# Altium PCB bms_mainboard-1_0.PcbDoc (part 1 of 7) (continued)
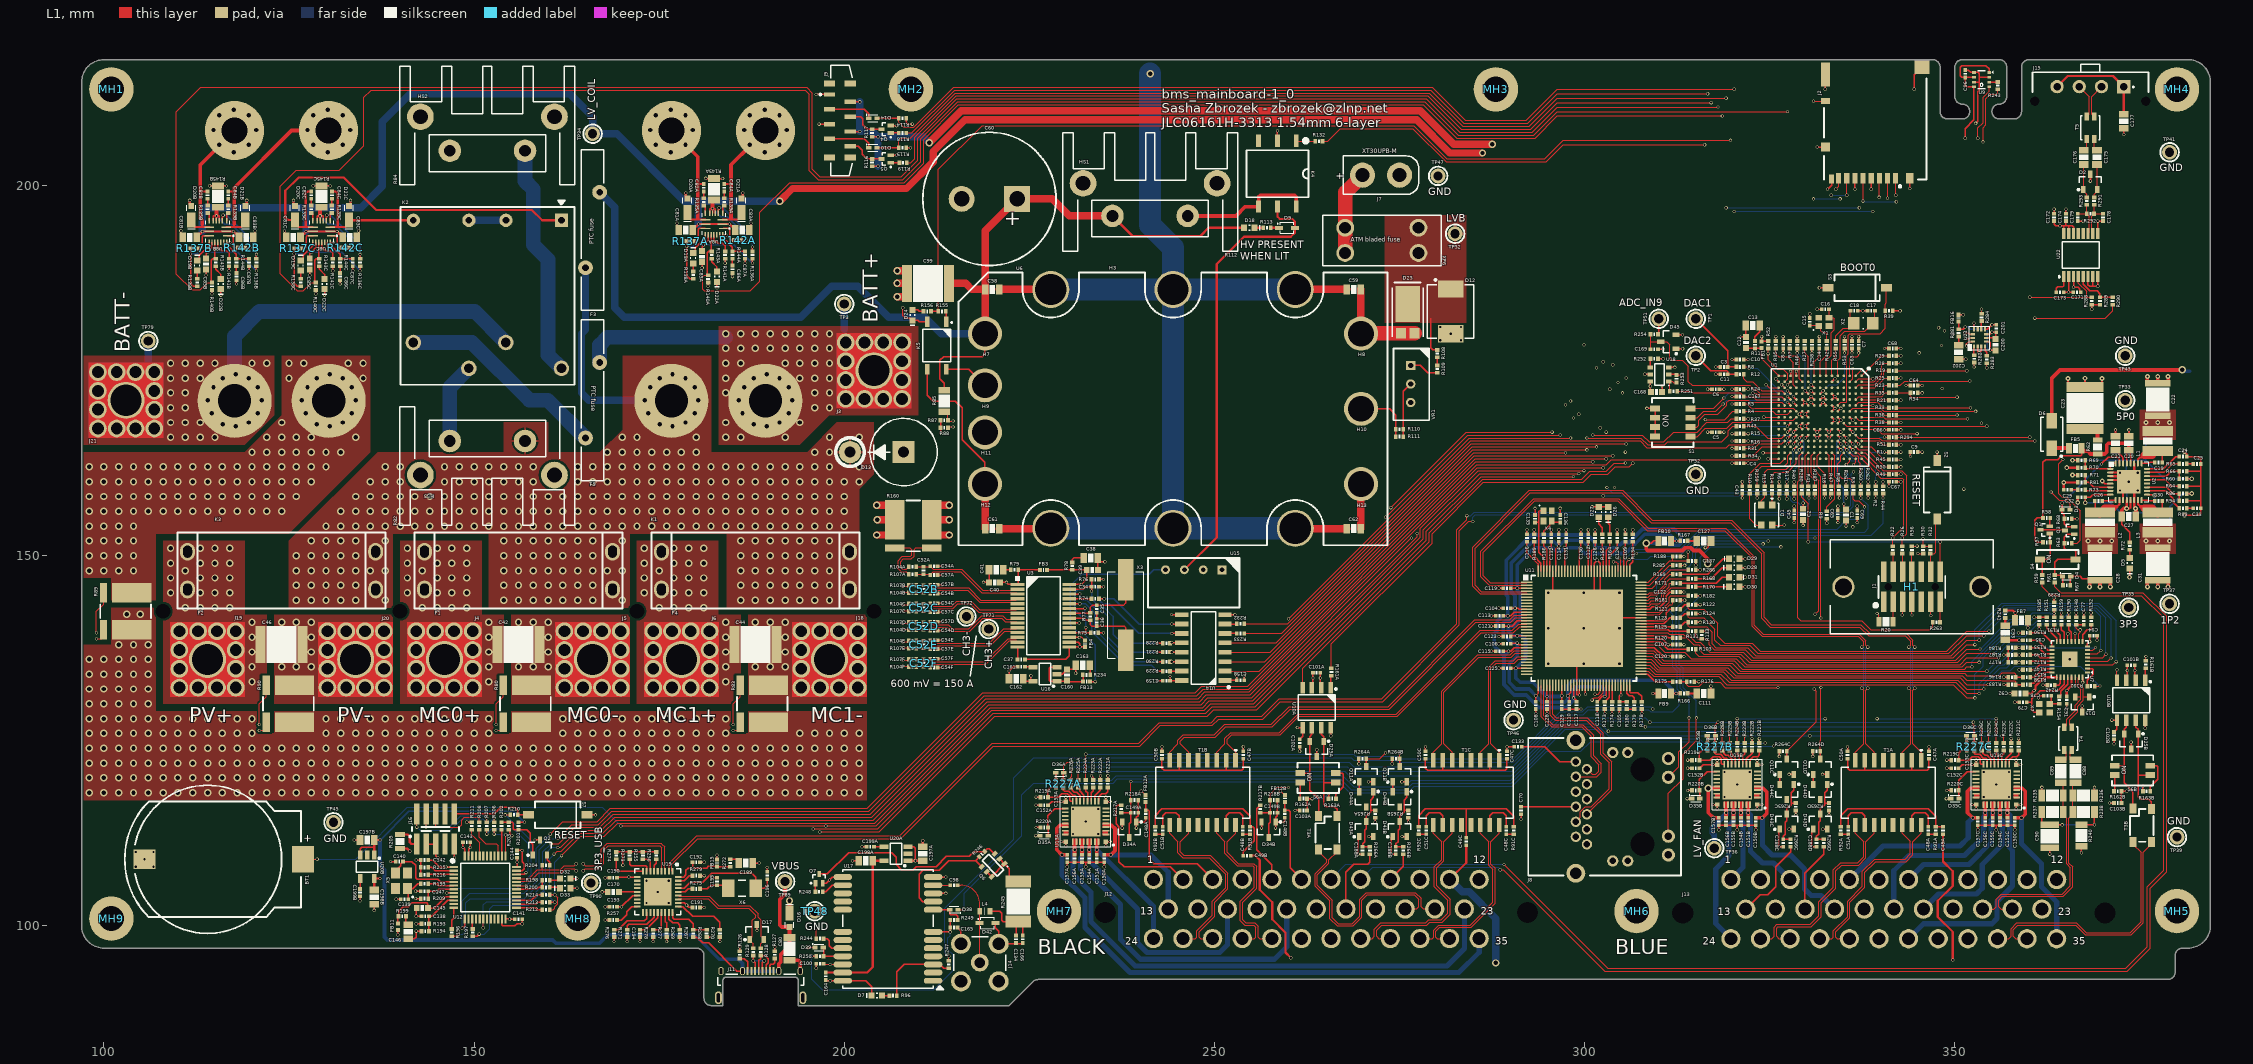
[diagram p0: L1 view]
## Classes and differential pairs
net class HV: HV_3_P HV_ARRAY_3_N HV_ARRAY_3_P HV_MC0_3_N HV_MC0_3_P HV_MC1_3_N HV_MC1_3_P HV_N HV_P HV_RAW_RETURN_3 HV_RAW_SUPPLY_3 NetC60_2 NetD9_2 NetD18_1 NetF5_2 NetH9_1 NetK2_5 NetK2_7 NetK4_4
component class isouart0: C171 C172 C173 C174 R288 R289 R290 U22
component class coupling1: C175 C176 C177 C178 C179 D2 J15 R291 R292 R293 T5
channel class pmic_tps79933: pmic_tps799331 pmic_tps799332
component class pmic_tps799331: C197A C198A C199A U20A
component class gnss_quectel_lc29hea: C98 C100 C134 C164 C165 C166 D7 D38 D39 D42 J14 L4 Q6 Q7 R96 R244 R245 R246 R247 R248 R249 R250 U17
component class fans: D10 D14 J9 Q4 Q5 R114 R115 R116 R117 R118 R119
component class dht_bme280: C96 R243 U9
component class pmic_tps799332: C197B C198B C199B U20B
component class imu_ism330: C200 C201 C202 FB16 R281 R282 R283 R284 U21
differential pair class DE_120: CAN1_MDI. CAN2_MDI.
differential pair class DE_90: USB_DFP1._1 USB_DFP2._1 USB_DFP3._1 USB_UFP._1
channel class switch_vn9e30f: lv_switch0 lv_switch1 lv_switch2
channel class eth_100base-tx_magnetics: mag0 mag1 mag2
channel class digital_input_protection: digital0 digital1 digital2 digital3
channel class current_mp6519: current_coil_hs current_coil_ls current_coil_pc
channel class can_tcan1462v: can0 can1
channel class analog_sensor_input: sensor0 sensor1
net class SE_50: GNSS_RF GNSS_RF_BIASED
component class usb_hub: C170 C189 C190 C191 C192 C193 C194 C195 C196 FB15 R255 R256 R257 R267 R268 R269 R270 R271 R272 R273 R274 R275 R276 R277 R278 R279 U19 X6
component class st-link-v2: C138 C139 C140 C141 C142 C143 C144 C145 C146 C147 D32 D33 FB11 J16 Q2 R193 R194 R195 R196 R197 R198 R199 R200 R201 R202 R203 R204 R205 R206 R207 R208 R209 R210 R211 R212 R213 R214 R215 R216 S7 U12 X5
component class sensor1: C148B C149B D34B FB12B R217B R218B
component class sensor0: C148A C149A D34A FB12A R217A R218A
component class mag2: C47C C48C C49C C50C C51C R91C R92C T1C
component class mag1: C47B C48B C49B C50B C51B R91B R92B T1B
component class mag0: C47A C48A C49A C50A C51A R91A R92A T1A
component class isolator0: C158 C159 C160 C161 C162 C163 FB13 R228 R229 R230 R231 R232 R233 R234 U14 U15 U16
component class digital3: C188D D43D D44D Q11D R264D R265D R266D
component class digital2: C188C D43C D44C Q11C R264C R265C R266C
component class digital1: C188B D43B D44B Q11B R264B R265B R266B
component class digital0: C188A D43A D44A Q11A R264A R265A R266A
component class dcdc_brick: C58 C59 C60 C61 C62 C99 D23 D24 H3 H4 H5 H6 H7 H8 H9 H10 H11 H12 H13 H14 H15 H16 K5 R108 R109 R110 R111 R155 R156 R160 U6 VR1
component class current_coil_pc: C81C C82C C83C C84C C85C C86C C87C D19C D20C D21C D22C R135C R136C R137C R138C R139C R140C R141C R142C R143C R144C R145C U8C
component class current_coil_ls: C81B C82B C83B C84B C85B C86B C87B D19B D20B D21B D22B R135B R136B R137B R138B R139B R140B R141B R142B R143B R144B R145B U8B
component class current_coil_hs: C81A C82A C83A C84A C85A C86A C87A D19A D20A D21A D22A R135A R136A R137A R138A R139A R140A R141A R142A R143A R144A R145A U8A
component class conn_harness_lv: D12 F19 F20 F21 F22 J7 J12 J13 XF6
component class hv_bleed: D9 D18 HS1 K4 R112 R113 R132
component class conn_usbc: C80 D16 D17 J11 R126 R127 R128 R129
differential pair class DE_100: 10B-T1S_MDI. 100B-PHY.RX_13 100B-PHY.TX_13 100BASE-TX.RX_1 100BASE-TX.TX_1 ARRAY_IS._1 BATT_IS._1 CH0. CH0._7 CH1. CH1._7 CH2. CH2._7 CH3. CH3._7 CH4. CH4._7 CH5. CH5._7 COMM DCDC_IS._1 ETH_P1.RX ETH_P1.TX ETH_P2.RX ETH_P2.TX ETH_P3.RX ETH_P3.TX HV_VS._1 IP ISOSPI._1 ISOSPI_0._9 ISOSPI_1._9 ISOSPI_2._9 ISOSPI_3._9 ISOSPI_4._9 ISOSPI_MCU._9 ISOUART._1 LV_VS._1 MC0_IS._1 MC1_IS._1 P1_MDI_PHY.RX P1_MDI_PHY.TX P2_MDI_PHY.RX P2_MDI_PHY.TX P3_MDI_PHY.RX P3_MDI_PHY.TX RX4 RX5 TRX TX4 TX5
channel class filter_diff_shunt: shunt0 shunt1 shunt2 shunt3 shunt4 shunt5
component class ethernet_switch: C70 C104 C105 C106 C107 C108 C109 C110 C111 C112 C113 C114 C115 C116 C117 C118 C119 C120 C121 C122 C123 C124 C125 C126 C127 C128 C129 C130 C131 C132 C133 C135 C136 C137 D26 D27 D28 D29 D30 D31 FB9 FB10 J8 R103 R120 R121 R122 R123 R124 R125 R130 R131 R133 R134 R164 R165 R166 R167 R168 R169 R170 R171 R173 R174 R175 R176 R178 R179 R180 R181 R182 R186 R188 R189 R285 R286 U11 X4
component class top: BT1 MH1 MH2 MH3 MH4 MH5 MH6 MH7 MH8 MH9 TP32 TP33 TP34 TP35 TP36 TP37 TP39 TP41 TP43 TP45 TP46 TP47 TP48 TP89 TP90
component class shunt5: C52F C54F C57F R104F R107F
component class shunt4: C52E C54E C57E R104E R107E
component class shunt3: C52D C54D C57D R104D R107D
component class shunt2: C52C C54C C57C R104C R107C
component class shunt1: C52B C54B C57B R104B R107B
component class shunt0: C52A C54A C57A R104A R107A
component class sdcard: J2
component class pmic: C19 C20 C21 C22 C23 C24 C25 C26 C27 C28 C29 C30 C31 C32 C33 D3 D4 D5 D6 FB5 L1 L2 L3 Q1 Q3 R57 R58 R59 R60 R61 R62 R63 R64 R65 R66 R67 R68 R69 R70 R71 R72 R73 R81 R86 R93 R94 S4 U2
component class lv_switch2: C150C C151C C152C C153C C154C C155C C156C C157C D35C D36C R219C R220C R221C R222C R223C R224C R225C R226C R227C U13C
component class lv_switch1: C150B C151B C152B C153B C154B C155B C156B C157B D35B D36B R219B R220B R221B R222B R223B R224B R225B R226B R227B U13B
component class lv_switch0: C150A C151A C152A C153A C154A C155A C156A C157A D35A D36A R219A R220A R221A R222A R223A R224A R225A R226A R227A U13A
component class eth_10base-t1s_phy: C C77 C78 C79 C88 C89 C90 C91 C92 C93 C94 C95 D15 FB7 R146 R147 R148 R149 R150 R151 R152 R153 R154 R157 R158 R159 R172 R177 R183 R184 R185 R187 R190 R191 R192 R235 R236 R237 R238 R239 R240 R241 R242 T4 U7 X7
component class mcu_stm32f4: C1 C2 C3 C4 C5 C6 C7 C8 C9 C10 C11 C12 C13 C14 C15 C16 C17 C18 C43 C45 C63 C64 C65 C66 C67 C68 C69 C167 C168 C169 D1 D45 FB1 H1 J1 R1 R2 R3 R4 R5 R6 R7 R8 R9 R10 R11 R12 R13 R14 R15 R16 R17 R18 R19 R20 R21 R22 R23 R24 R25 R26 R27 R28 R29 R30 R31 R32 R33 R34 R35 R36 R37 R38 R39 R40 R41 R42 R43 R44 R45 R46 R47 R48 R49 R50 R51 R52 R53 R54 R55 R56 R95 R251 R252 R253 R254 R258 R259 R260 R261 R262 R263 R280 R287 R294 S1 S2 S3 TP1 TP2 TP51 TP52 U1 U18 X1 X2
component class hv: C42 C44 C46 D13 F1 F2 F3 F4 F5 F19 HS2 HS3 J3 J4 J5 J6 J18 J19 J20 J21 K1 K2 K3 R80 R82 R83 R84 R85 R87 R88 R89 R90 TP3 TP79 XF1 XF3
component class can1: C101B C102B C103B D25B R161B R162B R163B S6B T3B U10B
component class can0: C101A C102A C103A D25A R161A R162A R163A S6A T3A U10A
component class adc_mcp3913: C34 C35 C36 C37 C38 C39 C40 C41 FB3 FB4 R74 R75 R76 R77 R78 R79 TP71 TP72 U3 X3
differential pair ISOUART._1: +ISOUART._1_P -ISOUART._1_N
differential pair COMM: +COMM_P -COMM_N
differential pair USB_UFP._1: +USB_UFP._1_P -USB_UFP._1_N
differential pair TRX: +TRX_P -TRX_N
differential pair 10B-T1S_MDI.: +10B-T1S_MDI._P -10B-T1S_MDI._N
differential pair USB_DFP2._1: +USB_DFP2._1_P -USB_DFP2._1_N
differential pair USB_DFP1._1: +USB_DFP1._1_P -USB_DFP1._1_N
differential pair TX4: +TX4_P -TX4_N
differential pair RX4: +RX4_P -RX4_N
differential pair P3_MDI_PHY.TX: +P3_MDI_PHY.TX_P -P3_MDI_PHY.TX_N
differential pair P3_MDI_PHY.RX: +P3_MDI_PHY.RX_P -P3_MDI_PHY.RX_N
differential pair P2_MDI_PHY.TX: +P2_MDI_PHY.TX_P -P2_MDI_PHY.TX_N
differential pair P2_MDI_PHY.RX: +P2_MDI_PHY.RX_P -P2_MDI_PHY.RX_N
differential pair P1_MDI_PHY.TX: +P1_MDI_PHY.TX_P -P1_MDI_PHY.TX_N
differential pair P1_MDI_PHY.RX: +P1_MDI_PHY.RX_P -P1_MDI_PHY.RX_N
differential pair ETH_P3.TX: +ETH_P3.TX_P -ETH_P3.TX_N
differential pair ETH_P3.RX: +ETH_P3.RX_P -ETH_P3.RX_N
differential pair ETH_P2.TX: +ETH_P2.TX_P -ETH_P2.TX_N
differential pair ETH_P2.RX: +ETH_P2.RX_P -ETH_P2.RX_N
differential pair ETH_P1.TX: +ETH_P1.TX_P -ETH_P1.TX_N
differential pair ETH_P1.RX: +ETH_P1.RX_P -ETH_P1.RX_N
differential pair DCDC_IS._1: +DCDC_IS._1_P -DCDC_IS._1_N
differential pair CH5.: +CH5._P -CH5._N
differential pair CH4.: +CH4._P -CH4._N
differential pair CH3.: +CH3._P -CH3._N
differential pair CH2.: +CH2._P -CH2._N
differential pair CH1.: +CH1._P -CH1._N
differential pair CH0.: +CH0._P -CH0._N
differential pair CAN2_MDI.: +CAN2_MDI._P -CAN2_MDI._N
differential pair CAN1_MDI.: +CAN1_MDI._P -CAN1_MDI._N
differential pair MC1_IS._1: +MC1_IS._1_P -MC1_IS._1_N
differential pair MC0_IS._1: +ARRAY_IS._1_P -ARRAY_IS._1_N
differential pair HV_VS._1: +HV_VS._1_P -HV_VS._1_N
differential pair BATT_IS._1: +BATT_IS._1_P -BATT_IS._1_N
differential pair ARRAY_IS._1: +MC0_IS._1_P -MC0_IS._1_N

## Components (designator, comment, footprint, x,y, rotation, side; value= is the part's Value field where it differs from the comment)
BT1 "S8421-45R" HOLDER_BATT_CR2032_HARWIN_S8421-45R 114,109 r90 top
C1 "CL10A106MA8NRNC" C0603 335.3,155.5 r270 top
C2 "CL10A106MA8NRNC" C0603 329.5,155.6 r270 top
C3 "CL05B103KB5NNNC" C0402 318.8,175.5 r180 top
C4 "CL05B104KB54PNC" C0402 321,162.5 r180 top
C5 "CL05B104KB54PNC" C0402 317.7,166.7 r180 top
C6 "CL05B104KB54PNC" C0402 317.7,172.5 r180 top
C7 "CL05B104KB54PNC" C0402 337,178.5 r90 top
C8 "CL05B104KB54PNC" C0402 326.8,178.5 r90 top
C9 "CL05B104KB54PNC" C0402 344.5,164 r0 top
C10 "CL05B104KB54PNC" C0402 321,176.5 r180 top
C11 "CL05B103KB5NNNC" C0402 318.8,174.5 r180 top
C12 "GMK107AB7105KAHT" C0603 321.8,178.8 r90 top
C13 "CL21B106KAYQNNE" C0805 322.7,181.1 r180 top
C14 "0402CG270J500NT" C0402 331.7,178.5 r90 top
C15 "0402CG6R0C500NT" C0402 330.4,181.6 r90 top
C16 "0402CG6R0C500NT" C0402 332.5,183.3 r180 top
C17 "0402CG150J500NT" C0402 338.7,183.1 r180 top
C18 "0402CG150J500NT" C0402 336.4,183.1 r0 top
C19 "CL05B104KB54PNC" C0402 377.5,162.6 r0 top
C20 "0805B475K500NT" C0805 373.5,165.2 r90 top
C21 "CL21B106KOQNNNE" C0805 371.7,165.2 r90 top
C22 "C4532X7R1C336MT000N" C1812 377.4,171.1 r90 top
C23 "C5750X7R1E226MT000N" C2220 367.575,169.975 r90 top
C24 "CL05B104KB54PNC" C0402 380.8,163.4 r0 top
C25 "CC0402KRX7R0BB222" C0402 382.7,162.4 r0 top
C26 "CL05B104KB54PNC" C0402 369.4,157.4 r180 top
C27 "0805B475K500NT" C0805 373.5,155.3 r0 top
C28 "C4532X7R1C336MT000N" C1812 369.6,148.9 r270 top
C29 "CC0402KRX7R0BB222" C0402 365.2,158.9 r180 top
C30 "CL05B104KB54PNC" C0402 377.5,157.4 r0 top
C31 "C4532X7R1C336MT000N" C1812 377.4,148.9 r270 top
C32 "CL05B104KB54PNC" C0402 367.1,157.9 r180 top
C33 "CC0402KRX7R0BB222" C0402 382.7,156.4 r0 top
C34 "0402CG270J500NT" C0402 233.9,145.8 r0 top
C35 "0402CG270J500NT" C0402 234.1,142.8 r270 top
C36 "0402CG270J500NT" C0402 234.1,141 r90 top
C37 "CL05B104KB54PNC" C0402 223.9,136 r0 top
C38 "CL21B106KAYQNNE" C0805 233.3,149.7 r0 top
C39 "GMK107AB7105KAHT" C0603 233.5,148.1 r0 top
C40 "GMK107AB7105KAHT" C0603 220.3,146.4 r180 top
C41 "CL21B106KAYQNNE" C0805 220.5,148.1 r180 top
C42 "C5750X7T2E225KT000N" C2220 156,138 r0 top
C43 "CL05B104KB54PNC" C0402 321.3,158.9 r270 top
C44 "C5750X7T2E225KT000N" C2220 188,138 r0 top
C45 "CL05B104KB54PNC" C0402 328.3,155.6 r270 top
C46 "C5750X7T2E225KT000N" C2220 124,138 r0 top
C47A "CL05B104KB54PNC" C0402 346.5,123.1 r90 top (schematic designator C47)
C47B "CL05B104KB54PNC" C0402 253.9,123.1 r90 top (schematic designator C47)
C47C "CL05B104KB54PNC" C0402 289.5,123.1 r90 top (schematic designator C47)
C48A "CL05B103KB5NNNC" C0402 346.4,112.9 r270 top (schematic designator C48)
C48B "CL05B103KB5NNNC" C0402 253.8,112.9 r270 top (schematic designator C48)
C48C "CL05B103KB5NNNC" C0402 289.4,112.9 r270 top (schematic designator C48)
C49A "CC0402KRX7R0BB222" C0402 348.4,112.9 r270 top (schematic designator C49)
C49B "CC0402KRX7R0BB222" C0402 254.4,109.5 r0 top (schematic designator C49)
C49C "CC0402KRX7R0BB222" C0402 284,111.4 r270 top (schematic designator C49)
C50A "CL05B104KB54PNC" C0402 335.5,123.1 r90 top (schematic designator C50)
C50B "CL05B104KB54PNC" C0402 242.9,123.1 r90 top (schematic designator C50)
C50C "CL05B104KB54PNC" C0402 278.5,123.1 r90 top (schematic designator C50)
C51A "CL05B103KB5NNNC" C0402 335.6,112.9 r270 top (schematic designator C51)
C51B "CL05B103KB5NNNC" C0402 243,112.9 r270 top (schematic designator C51)
C51C "CL05B103KB5NNNC" C0402 278.6,112.9 r270 top (schematic designator C51)
C52A "CL05B104KB54PNC" C0402 210.7,148 r270 top (schematic designator C52)
C52B "CL05B104KB54PNC" C0402 210.7,145.5 r90 top (schematic designator C52)
C52C "CL05B104KB54PNC" C0402 210.7,143 r270 top (schematic designator C52)
C52D "CL05B104KB54PNC" C0402 210.7,140.5 r90 top (schematic designator C52)
C52E "CL05B104KB54PNC" C0402 210.7,138 r270 top (schematic designator C52)
C52F "CL05B104KB54PNC" C0402 210.7,135.5 r90 top (schematic designator C52)
C54A "CL05B104KB54PNC" C0402 212.1,148.6 r0 top (schematic designator C54)
C54B "CL05B104KB54PNC" C0402 212.1,144.9 r0 top (schematic designator C54)
C54C "CL05B104KB54PNC" C0402 212.1,143.6 r0 top (schematic designator C54)
C54D "CL05B104KB54PNC" C0402 212.1,139.9 r0 top (schematic designator C54)
C54E "CL05B104KB54PNC" C0402 212.1,138.6 r0 top (schematic designator C54)
C54F "CL05B104KB54PNC" C0402 212.1,134.9 r0 top (schematic designator C54)
C57A "CL05B104KB54PNC" C0402 212.1,147.4 r180 top (schematic designator C57)
C57B "CL05B104KB54PNC" C0402 212.1,146.1 r180 top (schematic designator C57)
C57C "CL05B104KB54PNC" C0402 212.1,142.4 r180 top (schematic designator C57)
C57D "CL05B104KB54PNC" C0402 212.1,141.1 r180 top (schematic designator C57)
C57E "CL05B104KB54PNC" C0402 212.1,137.4 r180 top (schematic designator C57)
C57F "CL05B104KB54PNC" C0402 212.1,136.1 r180 top (schematic designator C57)
C58 "GCM21B5C2E472JX01L" C0805 220,185.969 r0 top
C59 "GRM21B5C2E103JWAAL" C0805 268.8,185.969 r0 top
C60 "EKXJ221ELL221MM25S" CAP_1600X2700X750 219.6,198.2 r180 top
C61 "GCM21B5C2E472JX01L" C0805 220,153.669 r0 top
C62 "GRM21B5C2E103JWAAL" C0805 268.8,153.669 r0 top
C63 "CL05B104KB54PNC" C0402 336.1,178.5 r90 top
C64 "CL05B104KB54PNC" C0402 344.5,173 r0 top
C65 "CL05B104KB54PNC" C0402 334.2,155.6 r270 top
C66 "CL05B104KB54PNC" C0402 341.6,167 r0 top
C67 "CL05B104KB54PNC" C0402 341.6,160 r0 top
C68 "CL05B104KB54PNC" C0402 341.6,178 r0 top
C69 "CL05B104KB54PNC" C0402 336.8,155.6 r270 top
C70 "CL05B104KB54PNC" C0402 291.4,115.6 r270 top
C77 "0402CG270J500NT" C0402 367.4,141.2 r90 top
C78 "0402CG6R0C500NT" C0402 362.5,131.1 r180 top
C79 "0402CG6R0C500NT" C0402 359.2,130.2 r180 top
C80 "CL31B106KBHNNNE" C1206 192.6,96.9 r270 top
C81A "0805B475K500NT" C0805 178.6,194 r0 top (schematic designator C81)
C81B "0805B475K500NT" C0805 111.6,193 r0 top (schematic designator C81)
C81C "0805B475K500NT" C0805 125.6,193 r0 top (schematic designator C81)
C82A "CL05B104KB54PNC" C0402 181,199.7 r90 top (schematic designator C82)
C82B "CL05B104KB54PNC" C0402 114,198.7 r90 top (schematic designator C82)
C82C "CL05B104KB54PNC" C0402 128,198.7 r90 top (schematic designator C82)
C83A "0805B475K500NT" C0805 186.2,194 r180 top (schematic designator C83)
C83B "0805B475K500NT" C0805 119.2,193 r180 top (schematic designator C83)
C83C "0805B475K500NT" C0805 133.2,193 r180 top (schematic designator C83)
C84A "CL05B104KB54PNC" C0402 183.8,199.7 r270 top (schematic designator C84)
C84B "CL05B104KB54PNC" C0402 116.8,198.7 r270 top (schematic designator C84)
C84C "CL05B104KB54PNC" C0402 130.8,198.7 r270 top (schematic designator C84)
C85A "CL10A106MA8NRNC" C0603 180.8,190.4 r270 top (schematic designator C85)
C85B "CL10A106MA8NRNC" C0603 113.8,189.4 r270 top (schematic designator C85)
C85C "CL10A106MA8NRNC" C0603 127.8,189.4 r270 top (schematic designator C85)
C86A "0402B473K500NT" C0402 184.9,188.7 r270 top (schematic designator C86)
C86B "0402B473K500NT" C0402 117.9,187.7 r270 top (schematic designator C86)
C86C "0402B473K500NT" C0402 131.9,187.7 r270 top (schematic designator C86)
C87A "GRM1555C1H471JA01D" C0402 186.6,190.6 r270 top (schematic designator C87)
C87B "GRM1555C1H471JA01D" C0402 119.6,189.6 r270 top (schematic designator C87)
C87C "GRM1555C1H471JA01D" C0402 133.6,189.6 r270 top (schematic designator C87)
C88 "FM31X104K251EEG" C1206 366.3,120.9 r270 top
C89 "FM31X104K251EEG" C1206 364.3,120.9 r270 top
C90 "FM32X224K251EEG" C1210 362.8,112.1 r270 top
C91 "CL05B104KB54PNC" C0402 365.1,130.5 r270 top
C92 "GMK107AB7105KAHT" C0603 358.8,131.4 r180 top
C93 "CL21B106KAYQNNE" C0805 356.8,139.6 r270 top
C94 "CL05B104KB54PNC" C0402 368.7,139.2 r0 top
C95 "CL05B104KB54PNC" C0402 359.7,138.6 r180 top
C96 "CL05B104KB54PNC" C0402 351.4,215.1 r270 top
C98 "0402CG101J500NT" C0402 214.8,105.5 r0 top
C99 "C5750X7T2E225KT000N" C2220 211.3,186.8 r180 top
C100 "CL05B104KB54PNC" C0402 196.7,94.9 r180 top
C101A "CL05B104KB54PNC" C0402 263.8,134.2 r0 top (schematic designator C101)
C101B "CL05B104KB54PNC" C0402 373.8,135.2 r0 top (schematic designator C101)
C102A "CL05B104KB54PNC" C0402 261.5,124.7 r270 top (schematic designator C102)
C102B "CL05B104KB54PNC" C0402 371.5,125.7 r270 top (schematic designator C102)
C103A "CL05B104KB54PNC" C0402 262,115.6 r180 top (schematic designator C103)
C103B "CL05B104KB54PNC" C0402 372,116.6 r180 top (schematic designator C103)
C104 "CL05B104KB54PNC" C0402 289.5,142.9 r180 top
C105 "CL05B104KB54PNC" C0402 304.7,129.8 r270 top
C106 "CL05B104KB54PNC" C0402 289.5,138.1 r180 top
C107 "CL05B104KB54PNC" C0402 312.4,138 r0 top
C108 "CL05B104KB54PNC" C0402 293.4,129.8 r270 top
C109 "CL05B104KB54PNC" C0402 305.5,152.4 r90 top
C110 "CL05B104KB54PNC" C0402 297.9,129.8 r270 top
C111 "CL21B106KAYQNNE" C0805 316.1,131.4 r0 top
C112 "CL05B104KB54PNC" C0402 300.5,152.4 r90 top
C113 "CL05B104KB54PNC" C0402 288.5,141.9 r180 top
C114 "CL05B104KB54PNC" C0402 296.5,152.4 r90 top
C115 "CL05B104KB54PNC" C0402 288.5,137.1 r180 top
C116 "CL05B104KB54PNC" C0402 292.2,152.4 r90 top
C117 "CL05B104KB54PNC" C0402 298.9,129.8 r270 top
C118 "CL05B104KB54PNC" C0402 301.7,129.8 r270 top
C119 "CL05B104KB54PNC" C0402 289.5,145.6 r180 top
C120 "CL05B104KB54PNC" C0402 312.4,136.4 r0 top
C121 "CL05B104KB54PNC" C0402 288.5,140.5 r180 top
C122 "CL05B104KB54PNC" C0402 312.4,145.1 r0 top
C123 "CL05B104KB54PNC" C0402 289.5,139.1 r180 top
C124 "CL05B104KB54PNC" C0402 304.4,152.4 r90 top
C125 "CL05B104KB54PNC" C0402 289.5,134.8 r180 top
C126 "CL05B104KB54PNC" C0402 301.4,152.4 r90 top
C127 "CL21B106KAYQNNE" C0805 316.1,152 r0 top
C128 "CL05B104KB54PNC" C0402 294.9,129.8 r270 top
C129 "CL05B104KB54PNC" C0402 296.9,129.8 r270 top
C130 "CL05B104KB54PNC" C0402 299.5,152.4 r90 top
C131 "CL05B104KB54PNC" C0402 297.5,152.4 r90 top
C132 "CL05B104KB54PNC" C0402 295.5,152.4 r90 top
C133 "CL05B104KB54PNC" C0402 291,124.2 r180 top
C134 "0402CG101J500NT" C0402 223.2,98.2 r270 top
C135 "0402CG6R0C500NT" C0402 293.3,155 r90 top
C136 "0402CG6R0C500NT" C0402 296.7,155 r90 top
C137 "0402CG270J500NT" C0402 314.5,149.3 r0 top
C138 "CL05B103KB5NNNC" C0402 143.4,101.3 r0 top
C139 "0402CG6R0C500NT" C0402 140.6,103.6 r180 top
C140 "0402CG6R0C500NT" C0402 139.9,108.7 r180 top
C141 "CL05B104KB54PNC" C0402 156,100.9 r0 top
C142 "CL05B104KB54PNC" C0402 143.3,108.9 r180 top
C143 "CL05B104KB54PNC" C0402 149,111.3 r0 top
C144 "CL05B104KB54PNC" C0402 155.8,109.7 r90 top
C145 "CL10A106MA8NRNC" C0603 143,102.4 r180 top
C146 "CL21B106KAYQNNE" C0805 141.1,99.2 r270 top
C147 "0402CG270J500NT" C0402 143.3,104.7 r180 top
C148A "CL05B103KB5NNNC" C0402 240.7,115.1 r270 top (schematic designator C148)
C148B "CL05B103KB5NNNC" C0402 259.5,115.1 r270 top (schematic designator C148)
C149A "CL05B104KB54PNC" C0402 239.2,115.3 r0 top (schematic designator C149)
C149B "CL05B104KB54PNC" C0402 258,115.3 r0 top (schematic designator C149)
C150A "CL05B103KB5NNNC" C0402 235.1,109.1 r270 top (schematic designator C150)
C150B "CL05B103KB5NNNC" C0402 323.1,114.1 r270 top (schematic designator C150)
C150C "CL05B103KB5NNNC" C0402 358.1,114.1 r270 top (schematic designator C150)
C151A "CL05B103KB5NNNC" C0402 234.1,109.1 r270 top (schematic designator C151)
C151B "CL05B103KB5NNNC" C0402 322.1,114.1 r270 top (schematic designator C151)
C151C "CL05B103KB5NNNC" C0402 357.1,114.1 r270 top (schematic designator C151)
C152A "CL05B104KB54PNC" C0402 227,116.3 r180 top (schematic designator C152)
C152B "CL05B104KB54PNC" C0402 315,121.3 r180 top (schematic designator C152)
C152C "CL05B104KB54PNC" C0402 350,121.3 r180 top (schematic designator C152)
C153A "CL05B104KB54PNC" C0402 228.6,119.2 r90 top (schematic designator C153)
C153B "CL05B104KB54PNC" C0402 316.6,124.2 r90 top (schematic designator C153)
C153C "CL05B104KB54PNC" C0402 351.6,124.2 r90 top (schematic designator C153)
C154A "CL05B103KB5NNNC" C0402 233.1,109.1 r270 top (schematic designator C154)
C154B "CL05B103KB5NNNC" C0402 321.1,114.1 r270 top (schematic designator C154)
C154C "CL05B103KB5NNNC" C0402 356.1,114.1 r270 top (schematic designator C154)
C155A "CL05B103KB5NNNC" C0402 232.1,109.1 r270 top (schematic designator C155)
C155B "CL05B103KB5NNNC" C0402 320.1,114.1 r270 top (schematic designator C155)
C155C "CL05B103KB5NNNC" C0402 355.1,114.1 r270 top (schematic designator C155)
C156A "CL05B103KB5NNNC" C0402 231.1,109.1 r270 top (schematic designator C156)
C156B "CL05B103KB5NNNC" C0402 319.1,114.1 r270 top (schematic designator C156)
C156C "CL05B103KB5NNNC" C0402 354.1,114.1 r270 top (schematic designator C156)
C157A "CL05B103KB5NNNC" C0402 230.1,109.1 r270 top (schematic designator C157)
C157B "CL05B103KB5NNNC" C0402 318.1,114.1 r270 top (schematic designator C157)
C157C "CL05B103KB5NNNC" C0402 353.1,114.1 r270 top (schematic designator C157)
C158 "CL05B104KB54PNC" C0402 253.5,133.2 r0 top
C159 "CL05B104KB54PNC" C0402 243.5,133.1 r180 top
C160 "CL10A106MA8NRNC" C0603 230.1,133.9 r90 top
C161 "CL05B104KB54PNC" C0402 223.9,135 r180 top
C162 "CL21B106KAYQNNE" C0805 223.2,133.4 r180 top
C163 "CL21B106KAYQNNE" C0805 232.2,135.2 r180 top
C164 "CL05B104KB54PNC" C0402 197.5,93.2 r270 top
C165 "CL05B104KB54PNC" C0402 214.8,99.8 r0 top
C166 "CL05B104KB54PNC" C0402 224.1,98.2 r270 top
C167 "CL05B104KB54PNC" C0402 321,171.5 r180 top
C168 "CL10A106MA8NRNC" C0603 309.7,172.1 r0 top
C169 "CL05B104KB54PNC" C0402 309.4,177.9 r0 top
C170 "CL10A106MA8NRNC" C0603 168.8,104.6 r180 top
C171 "CL05B104KB54PNC" C0402 366.5,185.6 r180 top
C172 "CL05B104KB54PNC" C0402 363.4,195.7 r90 top
C173 "TMK105B7224KV-FR" C0402 364.2,185.6 r0 top
C174 "TMK105B7224KV-FR" C0402 365,195.7 r90 top
C175 "GRM21B5C2E103JWAAL" C0805 369.2,203.8 r90 top
C176 "GRM21B5C2E103JWAAL" C0805 367.4,203.8 r90 top
C177 "GRM21B5C2E103JWAAL" C0805 372.8,208.7 r270 top
C178 "GRM1555C1H221JA01D" C0402 370,195.7 r270 top
C179 "GRM1555C1H221JA01D" C0402 366.6,195.7 r270 top
C188A "CL05B103KB5NNNC" C0402 270,110.2 r270 top (schematic designator C188)
C188B "CL05B103KB5NNNC" C0402 274.5,110.2 r270 top (schematic designator C188)
C188C "CL05B103KB5NNNC" C0402 326.8,111.2 r270 top (schematic designator C188)
C188D "CL05B103KB5NNNC" C0402 331.3,111.2 r270 top (schematic designator C188)
C189 "CL21B106KAYQNNE" C0805 186.7,108.5 r0 top
C190 "CL05B104KB54PNC" C0402 168.8,106.5 r180 top
C191 "CL05B104KB54PNC" C0402 180,102.5 r0 top
C192 "CL05B104KB54PNC" C0402 180,108.6 r0 top
C193 "CL05B104KB54PNC" C0402 168.8,102.6 r180 top
C194 "CL05B104KB54PNC" C0402 172.4,99 r270 top
C195 "0402CG270J500NT" C0402 182.8,106 r90 top
C196 "0402CG270J500NT" C0402 189.6,106.8 r90 top
C197A "CL21B106KAYQNNE" C0805 210.6,109.75 r90 top (schematic designator C197)
C197B "CL21B106KAYQNNE" C0805 135.55,111.6 r180 top (schematic designator C197)
C198A "CL21B106KAYQNNE" C0805 202.9,108.8 r180 top (schematic designator C198)
C198B "CL21B106KAYQNNE" C0805 136.5,103.9 r270 top (schematic designator C198)
C199A "CL05B103KB5NNNC" C0402 203.5,110.7 r180 top (schematic designator C199)
C199B "CL05B103KB5NNNC" C0402 134.6,104.5 r270 top (schematic designator C199)
C200 "GMK107AB7105KAHT" C0603 355.5,178.5 r90 top
C201 "CL05B104KB54PNC" C0402 355.6,180.7 r270 top
C202 "CL21B106KAYQNNE" C0805 350.5,177.5 r270 top
D1 "XL-3528RGBW-HM" LED_RGB_SMD3528-4P 324.6,155.5 r90 top
D2 "PESD2USB3UX" 3SOT23 368.3,200.5 r90 top
D3 "BAT54XV2T1G" SOD523 365,156.2 r0 top
D4 "SZMM5Z3V3T1G" SOD523 365.1,147.2 r0 top
D5 "LTST-C190YKT" LED_0603P_YELLOW 373.6,149 r90 top
D6 "B340A-13-F" SMA 363.1,166.4 r270 top
D7 "LTST-C191TBKT" LED_0603P_BLUE 204.4,90.6 r0 top
D9 "MM3Z56VC" SOD323 259.8,194.3 r0 top
D10 "BAT54XV2T1G" SOD523 203.85,205.1 r0 top
D12 "5.0SMDJ12A" SMC 281.9,183 r90 top
D13 "30KPA120A" P600_VERTICAL 208,164 r180 top
D14 "BAT54XV2T1G" SOD523 203.85,209.1 r0 top
D15 "PESD2USB3UX" 3SOT23 367.2,129.9 r270 top
D16 "MSS2P2-M3/89A" ESMP 192.6,100.5 r270 top
D17 "PESD2USB3UX" 3SOT23 188.2,99.2 r90 top
D18 "LTST-C190YKT" LED_0603P_YELLOW 254.7,194.3 r180 top
D19A "LTST-C190KRKT" LED_0603P_RED 179.6,190.2 r270 top (schematic designator D19)
D19B "LTST-C190KRKT" LED_0603P_RED 112.6,189.2 r270 top (schematic designator D19)
D19C "LTST-C190KRKT" LED_0603P_RED 126.6,189.2 r270 top (schematic designator D19)
D20A "MSS2P2-M3/89A" ESMP 178.8,197.6 r90 top (schematic designator D20)
D20B "MSS2P2-M3/89A" ESMP 111.8,196.6 r90 top (schematic designator D20)
D20C "MSS2P2-M3/89A" ESMP 125.8,196.6 r90 top (schematic designator D20)
D21A "MSS2P2-M3/89A" ESMP 186.1,197.6 r90 top (schematic designator D21)
D21B "MSS2P2-M3/89A" ESMP 119.1,196.6 r90 top (schematic designator D21)
D21C "MSS2P2-M3/89A" ESMP 133.1,196.6 r90 top (schematic designator D21)
D22A "LTST-C190YKT" LED_0603P_YELLOW 182.8,187.7 r90 top (schematic designator D22)
D22B "LTST-C190YKT" LED_0603P_YELLOW 115.8,186.7 r90 top (schematic designator D22)
D22C "LTST-C190YKT" LED_0603P_YELLOW 129.8,186.7 r90 top (schematic designator D22)
D23 "SBR10E45P5-7" POWERDI5 276.1,181.6 r90 top
D24 "LTST-C190YKT" LED_0603P_YELLOW 209.2,182.5 r90 top
D25A "PESD2CAN,215" 3SOT23 263.8,123.9 r270 top (schematic designator D25)
D25B "PESD2CAN,215" 3SOT23 373.8,124.9 r270 top (schematic designator D25)
D26 "LTST-C190GKT" LED_0603P_GREEN 303.2,155.9 r90 top
D27 "LTST-C190AKT" LED_0603P_AMBER 301.9,155.9 r90 top
D28 "LTST-C190GKT" LED_0603P_GREEN 320.2,148.4 r0 top
D29 "LTST-C190AKT" LED_0603P_AMBER 320.2,149.6 r0 top
D30 "LTST-C190GKT" LED_0603P_GREEN 320.2,145.8 r0 top
D31 "LTST-C190AKT" LED_0603P_AMBER 320.2,147.1 r180 top
D32 "LTST-C190KRKT" LED_0603P_RED 162.3,106.4 r180 top
D33 "LTST-C190GKT" LED_0603P_GREEN 162.3,105.1 r0 top
D34A "BAT54SLT1G" 3SOT23 238.5,113 r270 top (schematic designator D34)
D34B "BAT54SLT1G" 3SOT23 257.3,113 r270 top (schematic designator D34)
D35A "BAT54XV2T1G" SOD523 227,112.2 r0 top (schematic designator D35)
D35B "BAT54XV2T1G" SOD523 315,117.2 r0 top (schematic designator D35)
D35C "BAT54XV2T1G" SOD523 350,117.2 r0 top (schematic designator D35)
D36A "BAT54XV2T1G" SOD523 229.1,120.7 r180 top (schematic designator D36)
D36B "BAT54XV2T1G" SOD523 317.1,125.7 r180 top (schematic designator D36)
D36C "BAT54XV2T1G" SOD523 352.1,125.7 r180 top (schematic designator D36)
D38 "BAT54XV2T1G" SOD523 214.8,102.2 r180 top
D39 "BAT54XV2T1G" SOD523 196.6,97.1 r0 top
D42 "PTVSLC3D3V3B" SOD323 219.35,100.4 r0 top
D43A "BAT54SLT1G" 3SOT23 270.5,113.1 r90 top (schematic designator D43)
D43B "BAT54SLT1G" 3SOT23 275,113.1 r90 top (schematic designator D43)
D43C "BAT54SLT1G" 3SOT23 327.3,114.1 r90 top (schematic designator D43)
D43D "BAT54SLT1G" 3SOT23 331.8,114.1 r90 top (schematic designator D43)
D44A "BAT54SLT1G" 3SOT23 270.5,117.1 r270 top (schematic designator D44)
D44B "BAT54SLT1G" 3SOT23 275,117.1 r270 top (schematic designator D44)
D44C "BAT54SLT1G" 3SOT23 327.3,118.1 r270 top (schematic designator D44)
D44D "BAT54SLT1G" 3SOT23 331.8,118.1 r270 top (schematic designator D44)
D45 "BAT54SLT1G" 3SOT23 311.3,178.9 r180 top
F1 "ELV10-80-2P" EATON_ELV10-xx-2P 156,148 r180 top
F2 "ELV10-15-2P" EATON_ELV10-xx-2P 124,148 r180 top
F3 "0ZRE0200FF1A" BELFUSE_0ZRE0200FF 166,194 r0 top
F4 "ELV10-80-2P" EATON_ELV10-xx-2P 188,148 r180 top
F5 "0ZRE0200FF1A" BELFUSE_0ZRE0200FF 166,171 r180 top
FB1 "BLM15AX601SN1D" FB0402 323.9,178.5 r90 top
FB3 "BLM15AX601SN1D" FB0402 226.9,148.1 r180 top
FB4 "BLM15AX601SN1D" FB0402 232.5,138.1 r270 top
FB5 "HCB2012KF-102T10" FB0805 366.275,164.5 r0 top
FB7 "HCB2012KF-102T10" FB0805 359,141.3 r0 top
FB9 "HCB2012KF-102T10" FB0805 310.8,131.4 r0 top
FB10 "HCB2012KF-102T10" FB0805 310.8,152 r0 top
FB11 "BLM15AX601SN1D" FB0402 139.7,99.9 r270 top
FB12A "BLM15AX601SN1D" FB0402 240.7,117.2 r270 top (schematic designator FB12)
FB12B "BLM15AX601SN1D" FB0402 259.5,117.2 r270 top (schematic designator FB12)
FB13 "BLM15AX601SN1D" FB0402 232.7,133 r0 top
FB15 "BLM15AX601SN1D" FB0402 182.8,108.5 r270 top
FB16 "BLM15AX601SN1D" FB0402 350.5,182.1 r270 top
H1 "3DP_STDC14_TAPE_FRAME" 3DP_STDC14_TAPE_FRAME 344.2,145.8 r0 top
H3 "30183" VICOR_HEATSINK_30183 219,180 r0 top
H4 "SMTSO-M3-2ET" SMTSO-M3-2ET 227.89,185.969 r180 bottom
H5 "SMTSO-M3-2ET" SMTSO-M3-2ET 244.4,185.969 r180 bottom
H6 "SMTSO-M3-2ET" SMTSO-M3-2ET 260.91,185.969 r180 bottom
H7 "15115-91-0710" PRECI-DIP_15115-91-0710 219,180 r0 top
H8 "15115-91-0710" PRECI-DIP_15115-91-0710 269.8,180 r0 top
H9 "15115-91-0710" PRECI-DIP_15115-91-0710 219,173.015 r0 top
H10 "15115-91-0710" PRECI-DIP_15115-91-0710 269.8,169.84 r0 top
H11 "15115-91-0710" PRECI-DIP_15115-91-0710 219,166.665 r0 top
H12 "15115-91-0710" PRECI-DIP_15115-91-0710 219,159.68 r0 top
H13 "15115-91-0710" PRECI-DIP_15115-91-0710 269.8,159.68 r0 top
H14 "SMTSO-M3-2ET" SMTSO-M3-2ET 227.89,153.711 r180 bottom
H15 "SMTSO-M3-2ET" SMTSO-M3-2ET 244.4,153.711 r180 bottom
H16 "SMTSO-M3-2ET" SMTSO-M3-2ET 260.91,153.711 r180 bottom
HS1 "WA-T247-101E" OHMITE_WA-T247-101E 241.3,195.7 r0 top
HS2 "WA-T247-101E" OHMITE_WA-T247-101E 151.8,204.7 r0 top
HS3 "WA-T247-101E" OHMITE_WA-T247-101E 151.8,165.5 r180 top
J1 "FTSH-107-01-L-DV-K-A" SAMTEC_FTSH-107-01-L-DV-K-A 344.2,145.8 r0 top
J2 "DM3BT-DSF-PEJS" HIROSE_DM3BT 342,201 r180 top
J3 "7461086" WURTH_TERM_7461086 204,175 r0 top
J4 "7461086" WURTH_TERM_7461086 146,136 r0 top
J5 "7461086" WURTH_TERM_7461086 166,136 r0 top
J6 "7461086" WURTH_TERM_7461086 178,136 r0 top
J7 "XT30UPB-M" AMASS_XT30UPB-M 272.5,201.4 r0 top
J8 "V8BR-1AX1-GH" BELFUSE_V8BR-1AX1-GH 307.8,116.1 r270 top
J9 "686108183822" WURTH_WR-FPC_1.00mm_686108183822 199.8,208.8 r270 top
J11 "UJ20-C-G-MSMT-TR-68" CONN_USBC_UJ20-C-G-MSMT-TR-68 188.7,90.3 r0 top locked
J12 "1-776163-1" TE_AMPSEAL_1-776163-1 263.75,102.294 r0 top
J13 "1-776163-5" TE_AMPSEAL_1-776163-5 341.75,102.269 r0 top
J14 "RFPC-SMA14-FN-A" GCT_RFPC-SMA14-FN-A 218.3,95.05 r0 top
J15 "43650-0416" MOLEX_MICROFIT_0436500416 368.3,211.4 r0 top
J16 "FTSH-105-01-L-DV-K" FTSH-105-01-L-DV-K_KEYED 144.8,113.1 r0 top
J18 "7461086" WURTH_TERM_7461086 198,136 r0 top
J19 "7461086" WURTH_TERM_7461086 114,136 r0 top
J20 "7461086" WURTH_TERM_7461086 134,136 r0 top
J21 "7461086" WURTH_TERM_7461086 103,171 r0 top
K1 "P126BDA" RELAY_P126 183,184 r270 top
K2 "FTR-J2AK006W" RELAY_FTR-J2 151.8,178.8 r270 top
K3 "P126BDA" RELAY_P126 124,184 r270 top
K4 "LCB127STR" 6SMD300 258.5,201.6 r270 top
K5 "CPC1150NTR" 4SMD300 212.5,178.4 r270 top
L1 "FTC404020S4R7MGCA" SMD-4.1x4.1x2.0 377.4,165.5 r90 top value=4.7uH
L2 "FTC404020S4R7MGCA" SMD-4.1x4.1x2.0 369.6,154.5 r270 top value=4.7uH
L3 "FTC404020S4R7MGCA" SMD-4.1x4.1x2.0 377.4,154.5 r270 top value=4.7uH
L4 "LQW18AN68NJ80D" L0603_0.95MM 218.975,102 r180 top value=68nH
MH1 "HOLE_M3" HOLE_M3 101,213 r0 top
MH2 "HOLE_M3" HOLE_M3 209,213 r0 top
MH3 "HOLE_M3" HOLE_M3 288,213 r0 top
MH4 "HOLE_M3" HOLE_M3 380,213 r0 top
MH5 "HOLE_M3" HOLE_M3 380,102 r0 top
MH6 "HOLE_M3" HOLE_M3 307,102 r0 top
MH7 "HOLE_M3" HOLE_M3 229,102 r0 top
MH8 "HOLE_M3" HOLE_M3 164,101 r0 top
MH9 "HOLE_M3" HOLE_M3 101,101 r0 top
Q1 "MMBT3906T" 3SOT523 362.2,153.5 r180 top
Q2 "S9013" 3SOT23 158.9,110.6 r90 top
Q3 "MMBT3904T" 3SOT523 365.5,153.4 r180 top
Q4 "MMBT3904T" 3SOT523 205.65,207.6 r180 top
Q5 "MMBT3904T" 3SOT523 205.65,203.6 r180 top
Q6 "FDC638P" 6SOT23 220.1,108.2 r225 top
Q7 "MMBT3904T" 3SOT523 196.6,106.4 r90 top
Q11A "S9013" 3SOT23 270.5,120.5 r90 top (schematic designator Q11)
Q11B "S9013" 3SOT23 275,120.5 r90 top (schematic designator Q11)
Q11C "S9013" 3SOT23 327.3,121.5 r90 top (schematic designator Q11)
Q11D "S9013" 3SOT23 331.8,121.5 r90 top (schematic designator Q11)
R1 "0402WGF330JTCE" R0402 341.6,164 r180 top value=33
R2 "0402WGF330JTCE" R0402 339.3,158.9 r90 top value=33
R3 "0402WGF330JTCE" R0402 336.3,158.9 r90 top value=33
R4 "0402WGF330JTCE" R0402 321,169.5 r0 top value=33
R5 "0402WGF330JTCE" R0402 321,170.5 r0 top value=33
R6 "0402WGF330JTCE" R0402 326.3,158.9 r90 top value=33
R7 "0402WGF330JTCE" R0402 327.7,178.5 r270 top value=33
R8 "0402WGF3300TCE" R0402 321,175.5 r180 top value=330
R9 "0402WGF330JTCE" R0402 332.7,155.5 r90 top value=33
R10 "0402WGF1001TCE" R0402 322.3,158.9 r90 top value=1k
R11 "CRCW04021R00FKED" R0402 323,178.5 r270 top value=1
R12 "0402WGF3300TCE" R0402 321,174.5 r180 top value=330
R13 "0402WGF1001TCE" R0402 324.3,158.9 r90 top value=1k
R14 "0402WGF1001TCE" R0402 325.3,158.9 r90 top value=1k
R15 "0402WGF330JTCE" R0402 321,166.5 r0 top value=33
R16 "0402WGF330JTCE" R0402 321,165.5 r0 top value=33
R17 "0402WGF330JTCE" R0402 327.3,158.9 r90 top value=33
R18 "0402WGF330JTCE" R0402 332.4,158.9 r90 top value=33
R19 "0402WGF330JTCE" R0402 341.6,175 r180 top value=33
R20 "ERJP06F1000V" R0805 340.7,141.1 r180 top value=100
R21 "0402WGF330JTCE" R0402 341.6,171 r180 top value=33
R22 "0402WGF330JTCE" R0402 341.6,150.8 r270 top value=33
R23 "0402WGF330JTCE" R0402 341.6,173 r180 top value=33
R24 "0402WGF1001TCE" R0402 321,172.5 r0 top value=1k
R25 "0402WGF330JTCE" R0402 341.6,174 r180 top value=33
R26 "0402WGF330JTCE" R0402 342.9,150.8 r270 top value=33
R27 "0402WGF330JTCE" R0402 329.7,178.5 r270 top value=33
R28 "0402WGF330JTCE" R0402 341.6,176 r180 top value=33
R29 "0402WGF330JTCE" R0402 341.6,177 r180 top value=33
R30 "0402WGF1002TCE" R0402 345.7,150.8 r90 top value=10k
R31 "0402WGF330JTCE" R0402 321,164.5 r0 top value=33
R32 "0402WGF330JTCE" R0402 346.7,150.8 r270 top value=33
R33 "0402WGF330JTCE" R0402 341.6,170 r180 top value=33
R34 "0402WGF330JTCE" R0402 321,163.5 r0 top value=33
R35 "0402WGF330JTCE" R0402 341.6,172 r180 top value=33
R36 "0402WGF330JTCE" R0402 341.6,169 r180 top value=33
R37 "0402WGF330JTCE" R0402 321,168.5 r0 top value=33
R38 "0402WGF330JTCE" R0402 341.6,168 r180 top value=33
R39 "0402WGF1001TCE" R0402 341.1,183.1 r0 top value=1k
R40 "0402WGF330JTCE" R0402 328.3,158.9 r90 top value=33
R41 "0402WGF330JTCE" R0402 330.2,158.9 r90 top value=33
R42 "0402WGF3300TCE" R0402 332.7,178.5 r90 top value=330
R43 "0402WGF330JTCE" R0402 321,167.5 r0 top value=33
R44 "0402WGF330JTCE" R0402 340.3,158.9 r90 top value=33
R45 "0402WGF330JTCE" R0402 341.6,163 r180 top value=33
R46 "0402WGF330JTCE" R0402 328.7,178.5 r270 top value=33
R47 "0402WGF330JTCE" R0402 333.3,158.9 r90 top value=33
R48 "0402WGF330JTCE" R0402 334.3,158.9 r90 top value=33
R49 "0402WGF330JTCE" R0402 341.6,161 r180 top value=33
R50 "0402WGF330JTCE" R0402 341.6,162 r180 top value=33
R51 "0402WGF330JTCE" R0402 341.6,165 r180 top value=33
R52 "0402WGF1501TCE" R0402 324.8,178.5 r90 top value=1.5k
R53 "0402WGF330JTCE" R0402 335.1,178.5 r270 top value=33
R54 "0402WGF1501TCE" R0402 344.5,172 r0 top value=1.5k
R55 "0402WGF3300TCE" R0402 333.9,178.5 r90 top value=330
R56 "0402WGF330JTCE" R0402 344.2,150.8 r270 top value=33
R57 "0402WGF1002TCE" R0402 362.4,151.8 r180 top value=10k
R58 "0402WGF1002TCE" R0402 362.4,155.1 r180 top value=10k
R59 "0402WGF1001TCE" R0402 361.8,146.9 r90 top value=1k
R60 "0402WGF7322TCE" R0402 380.8,160.4 r0 top value=73.2k
R61 "0402WGF1001TCE" R0402 363.5,146.9 r90 top value=1k
R62 "HP05W3F220KT5E" R0805 369.275,164.7 r270 top value=2.2
R63 "0402WGF1001TCE" R0402 365.3,151.7 r180 top value=1k
R64 "0402WGF8872TCE" R0402 380.8,159.4 r180 top value=88.7k
R65 "0402WGF1002TCE" R0402 380.8,162.4 r180 top value=10k
R66 "0402WGF1002TCE" R0402 380.8,161.4 r180 top value=10k
R67 "0402WGF1002TCE" R0402 365.1,146 r180 top value=10k
R68 "0402WGF1002TCE" R0402 365.3,155 r180 top value=10k
R69 "0402WGF1003TCE" R0402 367.1,162.9 r180 top value=100k
R70 "0402WGF3302TCE" R0402 367.1,161.9 r0 top value=33k
R71 "FRC0402F4532TS" R0402 367.1,160.9 r180 top value=45.3k
R72 "0402WGF1001TCE" R0402 373.6,151.3 r90 top value=1k
R73 "0402WGF1002TCE" R0402 367.1,158.9 r0 top value=10k
R74 "0402WGF330JTCE" R0402 233.9,144.2 r0 top value=33
R75 "0402WGF1002TCE" R0402 233.8,139.6 r0 top value=10k
R76 "0402WGF1002TCE" R0402 233.9,146.8 r0 top value=10k
R77 "0402WGF1004TCE" R0402 233.2,141.8 r90 top value=1M
R78 "CRCW04021R00FKED" R0402 230.8,148.6 r270 top value=1
R79 "CRCW04021R00FKED" R0402 223,148.1 r0 top value=1
R80 "WSL2726L5000FEB" VISHAY_WSL2726 156,130 r270 top
R81 "0402WGF1002TCE" R0402 367.1,159.9 r0 top value=10k
R82 "TEH100M7R50FE" TO-247-2_VERTICAL 151.8,165.5 r180 top
R83 "WSL2726L5000FEB" VISHAY_WSL2726 188,130 r270 top
R84 "RES_7.5_OHM_100W_1%_TO247" TO-247-2_VERTICAL 151.8,204.7 r0 top
R85 "RC1206FR-072M2L" R1206 213.5,170.9 r270 top value=2.2M
R86 "0402WGF1002TCE" R0402 380.8,158.4 r0 top value=10k
R87 "0402WGF9531TCE" R0402 213.5,168.3 r180 top value=9.53k
R88 "0402WGF0000TCE" R0402 213.5,167.3 r180 top value=0m
R89 "WSL2726L5000FEB" VISHAY_WSL2726 102,142.5 r270 top
R90 "WSL27265L000FEB" VISHAY_WSL2726 124,130 r270 top
R91A "0402WGF750JTCE" R0402 347.4,112.9 r270 top value=75 (schematic designator R91)
R91B "0402WGF750JTCE" R0402 254.8,112.9 r270 top value=75 (schematic designator R91)
R91C "0402WGF750JTCE" R0402 290.4,112.9 r270 top value=75 (schematic designator R91)
R92A "0402WGF750JTCE" R0402 334.6,112.9 r270 top value=75 (schematic designator R92)
R92B "0402WGF750JTCE" R0402 242,112.9 r270 top value=75 (schematic designator R92)
R92C "0402WGF750JTCE" R0402 277.6,112.9 r270 top value=75 (schematic designator R92)
R93 "0402WGF1002TCE" R0402 380.8,156.4 r180 top value=10k
R94 "0402WGF1002TCE" R0402 380.8,157.4 r180 top value=10k
R95 "0402WGF330JTCE" R0402 325.8,178.5 r270 top value=33
R96 "0402WGF1001TCE" R0402 206.6,90.6 r180 top value=1k
R103 "0402WGF330JTCE" R0402 314.5,137.4 r180 top value=33
R104A "0402WGF1001TCE" R0402 209.2,148.5 r180 top value=1k (schematic designator R104)
R104B "0402WGF1001TCE" R0402 209.2,145 r180 top value=1k (schematic designator R104)
R104C "0402WGF1001TCE" R0402 209.2,143.5 r180 top value=1k (schematic designator R104)
R104D "0402WGF1001TCE" R0402 209.2,140 r180 top value=1k (schematic designator R104)
R104E "0402WGF1001TCE" R0402 209.2,138.5 r180 top value=1k (schematic designator R104)
R104F "0402WGF1001TCE" R0402 209.2,135 r180 top value=1k (schematic designator R104)
R107A "0402WGF1001TCE" R0402 209.2,147.5 r180 top value=1k (schematic designator R107)
R107B "0402WGF1001TCE" R0402 209.2,146 r180 top value=1k (schematic designator R107)
R107C "0402WGF1001TCE" R0402 209.2,142.5 r180 top value=1k (schematic designator R107)
R107D "0402WGF1001TCE" R0402 209.2,141 r180 top value=1k (schematic designator R107)
R107E "0402WGF1001TCE" R0402 209.2,137.5 r180 top value=1k (schematic designator R107)
R107F "0402WGF1001TCE" R0402 209.2,136 r180 top value=1k (schematic designator R107)
R108 "0402WGF3901TCE" R0402 280.1,177.3 r90 top value=3.9k
R109 "0402WGF4702TCE" R0402 280.1,175.2 r270 top value=47k
R110 "0402WGF1002TCE" R0402 275,167.1 r0 top value=10k
R111 "0402WGF1002TCE" R0402 275,166.1 r0 top value=10k
R112 "TEH100M470RJE" TO-247-2_VERTICAL 241.3,195.9 r0 top
R113 "0402WGF4702TCE" R0402 257.1,194.3 r0 top value=47k
R114 "0402WGF1002TCE" R0402 207.85,209.1 r180 top value=10k
R115 "0402WGF1002TCE" R0402 207.85,205.1 r180 top value=10k
R116 "0402WGF1002TCE" R0402 203.75,203.1 r90 top value=10k
R117 "0402WGF1002TCE" R0402 203.75,207.1 r90 top value=10k
R118 "0402WGF4701TCE" R0402 207.85,207.1 r0 top value=4.7k
R119 "0402WGF4701TCE" R0402 207.95,203.1 r0 top value=4.7k
R120 "0402WGF330JTCE" R0402 312.4,138.9 r180 top value=33
R121 "0402WGF330JTCE" R0402 312.4,142.8 r180 top value=33
R122 "0402WGF2201TCE" R0402 314.5,143.4 r180 top value=2.2k
R123 "0402WGF330JTCE" R0402 312.4,141.6 r180 top value=33
R124 "0402WGF2201TCE" R0402 314.5,142.2 r180 top value=2.2k
R125 "0402WGF330JTCE" R0402 312.4,140.4 r180 top value=33
R126 "0402WGF5101TCE" R0402 185.9,96.1 r270 top value=5.1k
R127 "0402WGF5101TCE" R0402 190.6,96.1 r270 top value=5.1k
R128 "0402WGF330JTCE" R0402 188.7,96.5 r270 top value=33
R129 "0402WGF330JTCE" R0402 187.7,96.5 r270 top value=33
R130 "0402WGF2201TCE" R0402 314.5,141 r180 top value=2.2k
R131 "0402WGF330JTCE" R0402 314.5,139.8 r180 top value=33
R132 "0402WGF1001TCE" R0402 264.1,206 r0 top value=1k
R133 "0402WGF2201TCE" R0402 315.8,139.3 r270 top value=2.2k
R134 "0402WGF330JTCE" R0402 306.5,152.4 r90 top value=33
R135A "FRC0402F10R0TS" R0402 181,197.8 r90 top value=10 (schematic designator R135)
R135B "FRC0402F10R0TS" R0402 114,196.8 r90 top value=10 (schematic designator R135)
R135C "FRC0402F10R0TS" R0402 128,196.8 r90 top value=10 (schematic designator R135)
R136A "0402WGF1002TCE" R0402 187.6,190.6 r90 top value=10k (schematic designator R136)
R136B "0402WGF1002TCE" R0402 120.6,189.6 r90 top value=10k (schematic designator R136)
R136C "0402WGF1002TCE" R0402 134.6,189.6 r90 top value=10k (schematic designator R136)
R137A "0402WGF1002TCE" R0402 179.2,192.5 r0 top value=10k (schematic designator R137)
R137B "0402WGF1002TCE" R0402 112.2,191.5 r0 top value=10k (schematic designator R137)
R137C "0402WGF1002TCE" R0402 126.2,191.5 r0 top value=10k (schematic designator R137)
R138A "0402WGF4701TCE" R0402 179.6,187.9 r90 top value=4.7k (schematic designator R138)
R138B "0402WGF4701TCE" R0402 112.6,186.9 r90 top value=4.7k (schematic designator R138)
R138C "0402WGF4701TCE" R0402 126.6,186.9 r90 top value=4.7k (schematic designator R138)
R139A "FRC0402F10R0TS" R0402 183.8,197.8 r90 top value=10 (schematic designator R139)